# Altium PCB WCAM-BREAKOUT-PCB-R03.PcbDoc (part 1 of 2) (continued)
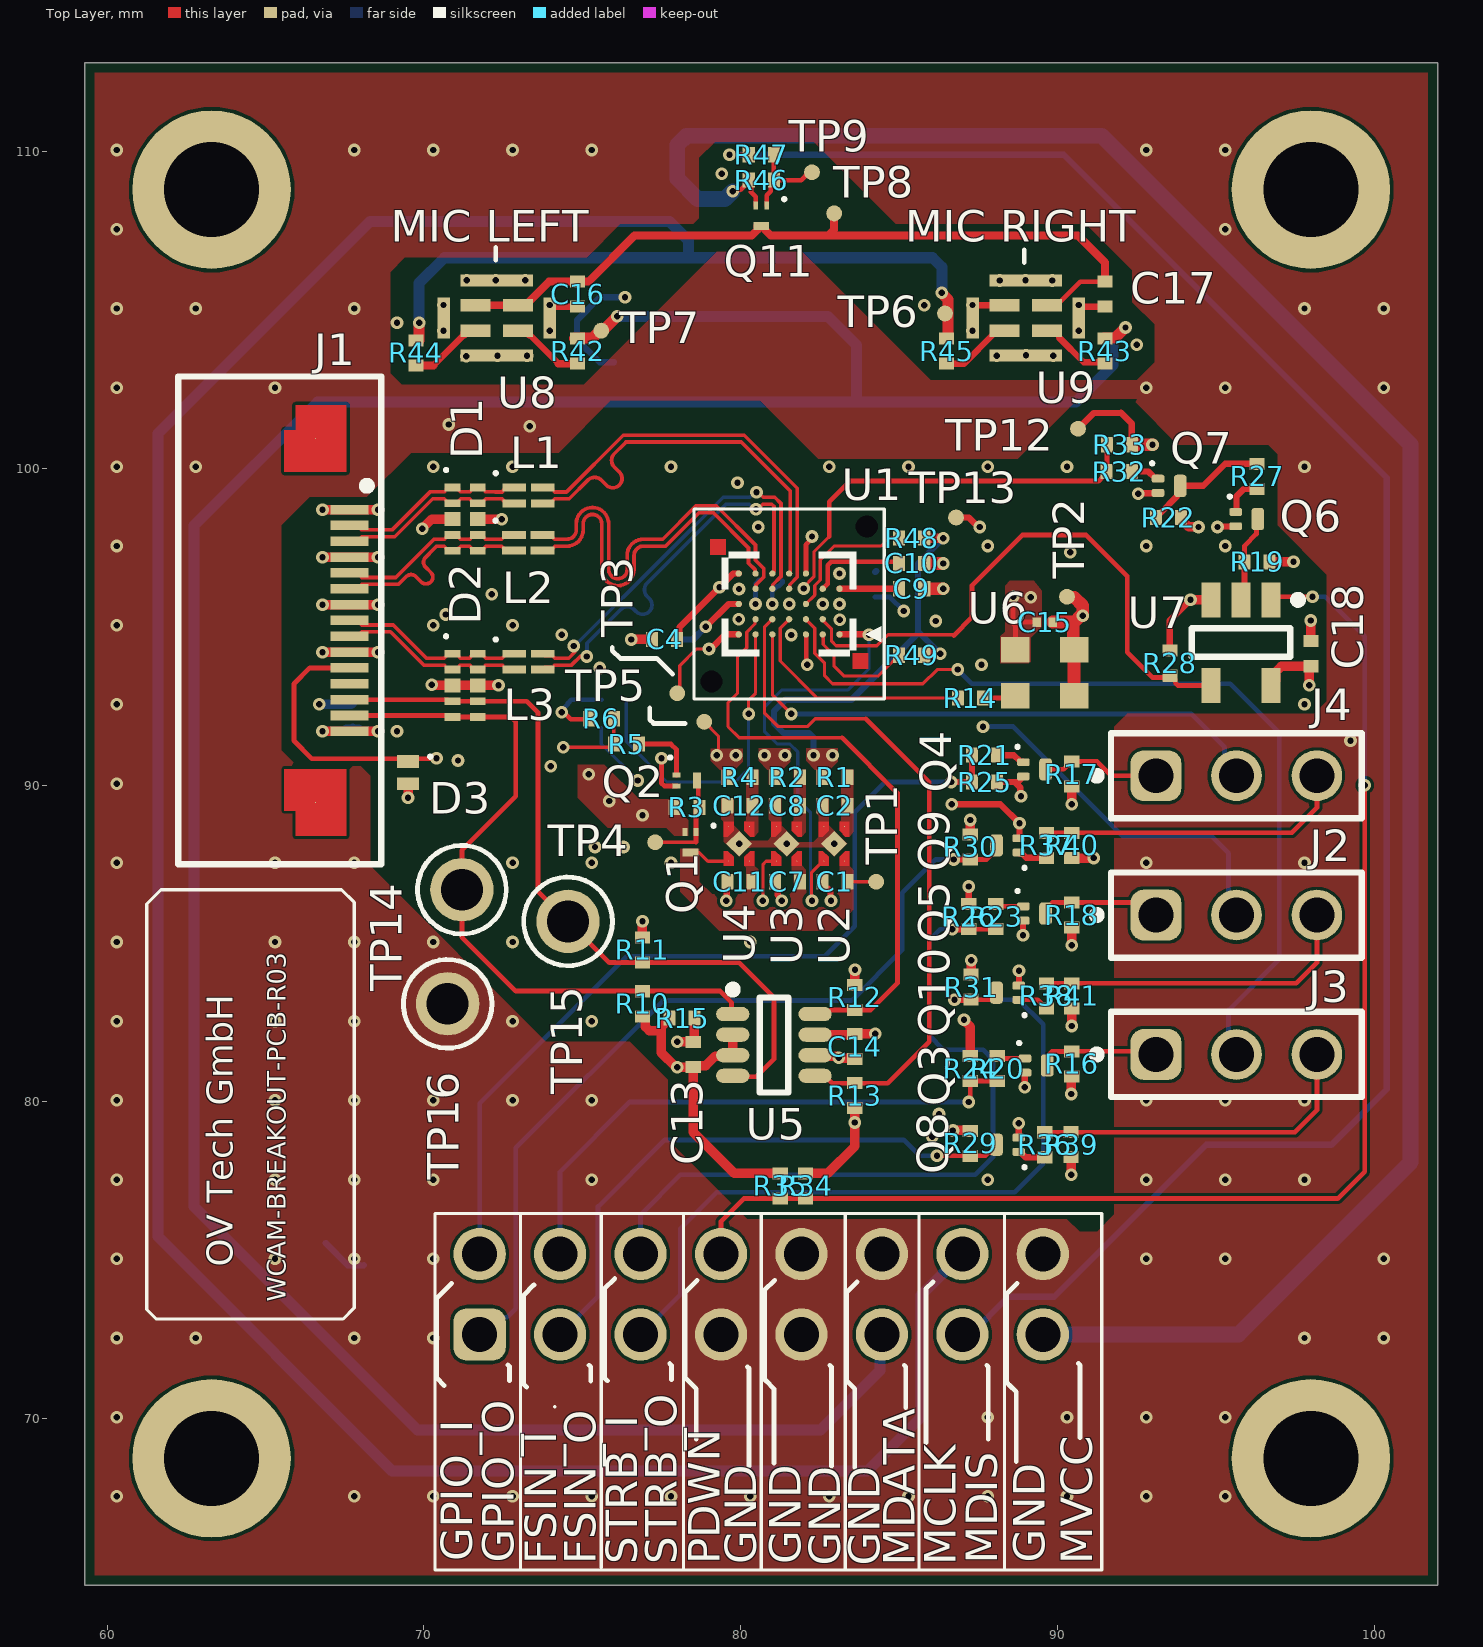
[diagram p0: Top Layer view]
## Components (designator, comment, footprint, x,y, rotation, side; value= is the part's Value field where it differs from the comment)
C1 "1µF 25V" CAPC1005X06L 82.975,86.95 r180 top
C2 "1µF 25V" CAPC1005X06L 82.975,89.35 r180 top
C3 "1µF 25V" CAPC1005X06L 77.6,94.6 r180 bottom
C4 "470nF 25V" CAPC1005X06L 77.6,94.6 r180 top
C5 "470nF 25V" CAPC1005X06L 80.925,96.445 r0 bottom
C6 "1µF 25V" CAPC1005X06L 67.75,92.2 r90 bottom
C7 "1µF 25V" CAPC1005X06L 81.475,86.95 r180 top
C8 "1µF 25V" CAPC1005X06L 81.475,89.35 r180 top
C9 "1µF 25V" CAPC1005X06L 85.4,96.2 r0 top
C10 "1µF 25V" CAPC1005X06L 85.4,97 r0 top
C11 "1µF 25V" CAPC1005X06L 79.975,86.95 r180 top
C12 "1µF 25V" CAPC1005X06L 79.975,89.35 r180 top
C13 "100nF 16V" CAPC1005X06L 78.5,81.5 r90 top
C14 "100nF 16V" CAPC1005X06L 83.6,81.75 r270 top
C15 "470nF 10V" CAPC0603X03L 89.6,95.15 r180 top
C16 "470nF 25V" CAPC1005X06L 74.85,105.5 r270 top
C17 "470nF 25V" CAPC1005X06L 91.5,105.5 r270 top
C18 "100nF 16V" CAPC1005X06L 98,94.15 r90 top
D1 "ESD7504MUTAG" QFN50P250X100X55-10L 71.3,98.4 r270 top
D2 "ESD7504MUTAG" QFN50P250X100X55-10L 71.3,93.15 r270 top
D3 "PESD5V5C1UL" DFN65P100X50-2N 69.5,90.4 r270 top
J1 "F32Q-1A7H1-11015" "FFC 15pol 0.5mm F32Q-1A7H1-11015" 65.9,95.2 r270 top
J2 "61300311121" "BOARD TO BOARD Pinheader WE_61300311121" 95.65,85.9 r0 top
J3 "61300311121" "BOARD TO BOARD Pinheader WE_61300311121" 95.65,81.5 r0 top
J4 "61300311121" "BOARD TO BOARD Pinheader WE_61300311121" 95.65,90.3 r0 top
J5 "61301621021" "BOARD TO BOARD Pinheader WE_61301621021" 80.65,69.93 r180 bottom
L1 "90Ohm 100mA" CAF-50P85X64-4N 73.299,99.148 r0 top
L2 "90Ohm 100mA" CAF-50P85X64-4N 73.292,97.652 r0 top
L3 "90Ohm 100mA" CAF-50P85X64-4N 73.3,93.9 r0 top
Q1 "SSM3J56ACT,L3F" DFN65P100X50-3L 78.418,88.197 r270 top
Q2 "SSM3K15ACT,L3F" DFN65P100X50-3L 78.3,90.15 r0 top
Q3 "PMZ130UNEYL" DFN65P98X50-3N 89.3,81.15 r0 top
Q4 "PMZ130UNEYL" DFN65P98X50-3N 89.25,90.5 r0 top
Q5 "PMZ130UNEYL" DFN65P98X50-3N 89.25,85.95 r0 top
Q6 "PMZ130UNEYL" DFN65P98X50-3N 95.95,98.4 r0 top
Q7 "PMZ130UNEYL" DFN65P98X50-3N 93.5,99.45 r0 top
Q8 "PMZ130UNEYL" DFN65P98X50-3N 88.45,78.65 r180 top
Q9 "PMZ130UNEYL" DFN65P98X50-3N 88.45,88.1 r180 top
Q10 "PMZ130UNEYL" DFN65P98X50-3N 88.45,83.45 r180 top
Q11 "SSM3J56ACT,L3F" DFN65P100X50-3L 80.65,107.975 r270 top
R1 "0Ohm 1%" RESC1005X04L 82.975,90.25 r0 top
R2 "0Ohm 1%" RESC1005X04L 81.475,90.25 r0 top
R3 "15k 1%" RESC1005X04L 78.3,89.3 r0 top
R4 "0Ohm 1%" RESC1005X04L 79.975,90.25 r0 top
R5 "240R 1%" RESC1005X04L 76.4,91.3 r0 top
R6 "15k 1%" RESC1005X04L 75.6,92.1 r180 top
R7 "1.5k 1%" RESC1005X04L 75.995,91.825 r0 bottom
R8 "1.5k 1%" RESC1005X04L 76.005,92.7 r0 bottom
R9 "0Ohm 1%" RESC1005X04L 84.244,96.333 r90 bottom
R10 "3.3k 1%" RESC1005X04L 76.9,83.1 r270 top
R11 "3.3k 1%" RESC1005X04L 76.9,84.8 r90 top
R12 "3.3k 1%" RESC1005X04L 83.6,83.3 r90 top
R13 "3.3k 1%" RESC1005X04L 83.6,80.2 r270 top
R14 "27R 1%" RESC1005X04L 87.25,92.75 r0 top
R15 "10k 1%" RESC1005X04L 78.15,82.65 r180 top
R16 "1.5k 1%" RESC1005X04L 90.45,81.2 r270 top
R17 "1.5k 1%" RESC1005X04L 90.45,90.35 r270 top
R18 "1.5k 1%" RESC1005X04L 90.45,85.9 r270 top
R19 "22k 1%" RESC1005X04L 96.3,97.05 r0 top
R20 "100R 1%" RESC1005X04L 88.1,81.055 r270 top
R21 "100R 1%" RESC1005X04L 87.7,90.95 r180 top
R22 "22k 1%" RESC1005X04L 93.5,98.45 r0 top
R23 "100R 1%" RESC1005X04L 88.05,85.85 r270 top
R24 "10k 1%" RESC1005X04L 87.25,81.055 r270 top
R25 "10k 1%" RESC1005X04L 87.7,90.1 r180 top
R26 "10k 1%" RESC1005X04L 87.2,85.85 r270 top
R27 "100R 1%" RESC1005X04L 96.3,99.75 r90 top
R28 "22k 1%" RESC1005X04L 93.55,93.85 r270 top
R29 "10k 1%" RESC1005X04L 87.25,78.695 r90 top
R30 "10k 1%" RESC1005X04L 87.25,88.05 r90 top
R31 "10k 1%" RESC1005X04L 87.275,83.625 r90 top
R32 "100R 1%" RESC1005X04L 91.95,99.9 r180 top
R33 "22k 1%" RESC1005X04L 91.962,100.748 r180 top
R34 "22k 1%" RESC1005X04L 82.05,77.35 r90 top
R35 "22k 1%" RESC1005X04L 81.25,77.35 r90 top
R36 "100R 1%" RESC1005X04L 89.6,78.65 r270 top
R37 "100R 1%" RESC1005X04L 89.65,88.1 r270 top
R38 "100R 1%" RESC1005X04L 89.65,83.35 r270 top
R39 "10k 1%" RESC1005X04L 90.432,78.655 r90 top
R40 "10k 1%" RESC1005X04L 90.45,88.1 r90 top
R41 "10k 1%" RESC1005X04L 90.45,83.35 r90 top
R42 "33 1%" RESC1005X04L 74.85,103.7 r90 top
R43 "33 1%" RESC1005X04L 91.5,103.7 r270 top
R44 "0Ohm 1%" RESC1005X04L 69.75,103.65 r90 top
R45 "0Ohm 1%" RESC1005X04L 86.5,103.7 r270 top
R46 "18k 1%" RESC1005X04L 80.65,109.1 r180 top
R47 "240R 1%" RESC1005X04L 80.65,109.9 r0 top
R48 "1.5k 1%" RESC1005X04L 85.4,97.8 r180 top
R49 "1.5k 1%" RESC1005X04L 85.4,94.1 r180 top
TP1 "Testpoint 0.5mm" TP_0.50mm 84.275,86.95 r0 top
TP2 "Testpoint 0.5mm" TP_0.50mm 90.3,95.95 r90 top
TP3 "Testpoint 0.5mm" TP_0.50mm 78,92.9 r90 top
TP4 "Testpoint 0.5mm" TP_0.50mm 77.3,88.2 r270 top
TP5 "Testpoint 0.5mm" TP_0.50mm 78.85,92 r90 top
TP6 "Testpoint 0.5mm" TP_0.50mm 86.45,104.891 r0 top
TP7 "Testpoint 0.5mm" TP_0.50mm 75.6,104.35 r0 top
TP8 "Testpoint 0.5mm" TP_0.50mm 82.95,108.05 r90 top
TP9 "Testpoint 0.5mm" TP_0.50mm 82.25,109.35 r90 top
TP10 "Testpoint 0.5mm" TP_0.50mm 66.9,75.55 r90 bottom
TP11 "Testpoint 0.5mm" TP_0.50mm 76,103.35 r90 bottom
TP12 "Testpoint 0.5mm" TP_0.50mm 90.65,101.25 r90 top
TP13 "Testpoint 0.5mm" TP_0.50mm 86.8,98.45 r90 top
TP14 "4952" TP_Keystone_4952 71.2,86.7 r0 top
TP15 "4952" TP_Keystone_4952 74.55,85.7 r0 top
TP16 "4952" TP_Keystone_4952 70.75,83.1 r90 top
U1 "OV02740-H34A-Z" BGA34C53P7X5_386X292X388 81.53,95.72 r180 top
U2 "TLV74018PDQNR" X2SON-DFN 82.95,88.15 r270 top
U3 "TLV74012PDQNR" X2SON-DFN 81.45,88.15 r270 top
U4 "TLV74028PDQNR" X2SON-DFN 79.95,88.15 r270 top
U5 "TCA9416DDFR" TSOP65P280X110-8N 81.05,81.8 r0 top
U6 "ECS-2520MV-240-BN-TR" Oscillator_ECS-2520MV 89.6,93.55 r180 top
U7 "74LVC1G08GV" SOT95P275X110-5N 95.794,94.5 r270 top
U8 "SPK0641HT4H-1" MIC_SPK0641HT4H-1 72.3,104.75 r90 top
U9 "SPK0641HT4H-1" MIC_SPK0641HT4H-1 89,104.75 r90 top

## Footprints (in the part's own frame and the unit in brackets; to place one, negate y for a bottom-side part, rotate by r counter-clockwise, add the part's x,y. Pads: shape width x height; smd on the part's side, far side on the other; paste and mask are expansions set on the pad)
BGA34C53P7X5_386X292X388 [mm] "BGA, 34-Leads, Body 3,86x2,92mmx3,88mm, Pitch 0,53mm"
  round 0.2 smd: A1(-1.59,0.96) A2(-1.06,0.96) A3(-0.53,0.96) A4(0,0.96) A5(0.53,0.96) A6(1.06,0.96) A7(1.59,0.96) B1(-1.59,0.48) B2(-1.06,0.48) B3(-0.53,0.48) B4(0,0.48) B5(0.53,0.48) B6(1.06,0.48) B7(1.59,0.48) C1(-1.59,0) C2(-1.06,0) C3(-0.53,0) C4(0,0) C5(0.53,0) C6(1.06,0) C7(1.59,0) D1(-1.59,-0.48) D2(-1.06,-0.48) D3(-0.53,-0.48) D4(0,-0.48) D5(0.53,-0.48) D6(1.06,-0.48) D7(1.59,-0.48) E1(-1.59,-0.96) E3(-0.53,-0.96) E4(0,-0.96) E5(0.53,-0.96) E6(1.06,-0.96) E7(1.59,-0.96)
  Top Layer region: -2.5,2.05 -2.5,1.55 -2,1.55 -2,2.05
  Top Layer region: 2,-1.55 2,-2.05 2.5,-2.05 2.5,-1.55
  silkscreen extent -2.9,0.7 -2.4,1.2, body extent -1.93,-1.46 1.93,1.46, height 0.72
"BOARD TO BOARD Pinheader WE_61300311121" [mm] "Pin Header, pitch 2.54 mm, THT, Vertical, single row, 3p"
  rrect50% 1.6x1.6 hole 1.1: 1(-2.54,0)
  round 1.6 hole 1.1: 2(0,0) 3(2.54,0)
  silkscreen extent -4.53,-1.35 3.96,1.35, body extent -3.81,-1.27 3.81,1.27, height 8.57
"BOARD TO BOARD Pinheader WE_61301621021" [mm] "Pin Header, pitch 2.54 mm, THT, Angled, dual row, 16p"
  rrect50% 1.65x1.65 hole 1.1: 1(8.89,2.73)
  round 1.65 hole 1.1: 2(8.89,5.27) 3(6.35,2.73) 4(6.35,5.27) 5(3.81,2.73) 6(3.81,5.27) 7(1.27,2.73) 8(1.27,5.27) 9(-1.27,2.73) 10(-1.27,5.27) 11(-3.81,2.73) 12(-3.81,5.27) 13(-6.35,2.73) 14(-6.35,5.27) 15(-8.89,2.73) 16(-8.89,5.27)
  silkscreen extent -10.31,-1.35 10.44,2.82, body extent -10.16,-7.27 10.16,5.63, height 5.12
CAF-50P85X64-4N [mm] "Chip Array, Flat, 4-Leads, Pitch 0,50mm,  Body 0,85x0,65mm,  IPC Medium Density"
  rect 0.75x0.25 smd: 1(-0.45,0.25) 2(0.45,0.25) 3(0.45,-0.25) 4(-0.45,-0.25)
  silkscreen extent -1.08,0.65 -0.98,0.75, body extent -0.4,-0.45 0.4,0.45, height 0.5
CAPC0603X03L [mm] "Chip Capacitor, 2-Leads, Body 0,60x0,30mm, IPC High Density"
  rect 0.27x0.3 smd paste-0.5: 1(-0.25,0) 2(0.25,0)
  body extent -0.3,-0.15 0.3,0.15, height 0.3
CAPC1005X06L [mm] "Chip Capacitor, 2-Leads, Body 1,00x0,50mm, IPC High Density"
  rect 0.38x0.48 smd: 1(-0.395,0) 2(0.395,0)
  body extent -0.5,-0.25 0.5,0.25, height 0.5
DFN65P98X50-3N [mm] "DFN, 3-Leads, Body 0,59x0,99mm, Pitch 0,65mm, IPC Medium Density"
  rrect50% 0.4x0.25 smd paste-2539.97 mask-2539.97: 1(-0.325,0.225) 2(-0.325,-0.225)
  rrect50% 0.4x0.7 smd paste-2539.97 mask-2539.97: 3(0.375,0)
  silkscreen extent -0.56,0.66 -0.46,0.76, body extent -0.51,-0.31 0.51,0.31, height 0.5
DFN65P100X50-2N [mm] "DFN, 2-Leads, Body 0,60x1,00mm, Pitch 0,65mm, IPC Medium Density"
  rect 0.4x0.7 smd: 1(-0.35,0) 2(0.35,0)
  silkscreen extent -0.55,0.65 -0.45,0.75, body extent -0.5,-0.3 0.5,0.3, height 0.5
DFN65P100X50-3L [mm] "DFN, 3-Leads, Body 0,60x1,00mm, Pitch 0,65mm, IPC High Density"
  rect 0.25x0.15 smd paste-2539.97 mask+0.05: 1(-0.325,0.175) 2(-0.325,-0.175)
  rect 0.25x0.5 smd paste-2539.97 mask+0.05: 3(0.325,0)
  silkscreen extent -0.57,0.68 -0.48,0.77, body extent -0.5,-0.3 0.5,0.3, height 0.38
"FFC 15pol 0.5mm F32Q-1A7H1-11015" [mm] "Flex Connector, 0.50mm Pitch, Height 2.00mm, Right angle, Slider type, ZIF, Upper contact, 15 position , Without MYLAR"
  rect 0.3x1.2 smd: 1(-3.5,1.75) 2(-3,1.75) 3(-2.5,1.75) 4(-2,1.75) 5(-1.5,1.75) 6(-1,1.75) 7(-0.5,1.75) 8(0,1.75) 9(0.5,1.75) 10(1,1.75) 11(1.5,1.75) 12(2,1.75) 13(2.5,1.75) 14(3,1.75) 15(3.5,1.75)
  round 0.025 smd: MT(-5.75,0.675) MT(5.75,0.675)
  Top Layer region: -6.8,0.05 -6.8,1.65 -4.7,1.65 -4.7,-0.3 -6,-0.3 -6,0.05
  Top Layer region: 4.7,-0.3 4.7,1.65 6.8,1.65 6.8,0.05 6,0.05 6,-0.3
  silkscreen extent -7.7,-3.65 7.7,2.75, body extent -7.4,-3.3 7.4,2.2, height 2.05
MIC_SPK0641HT4H-1 [mm] "Digital SiSonic Microphone"
  rect 0.4x0.95 smd: 1(-0.4,-0.675) 2(-0.4,0.675) 3(0.4,0.675) 4(0.4,-0.675)
  rect 1.3x0.4 smd: 5(0,-1.675) 7(0,1.675)
  rect 0.375x2.3 smd: 6(-1.188,0) 8(1.188,0)
  body extent -1.5,-2 1.5,2, height 1.02
Oscillator_ECS-2520MV [mm] "miniature SMD HCMOS Oscillator with MultiVolt capability"
  rect 0.9x0.8 smd: 1(-0.925,-0.725) 2(0.925,-0.725) 3(0.925,0.725) 4(-0.925,0.725)
  body extent -1.25,-1 1.25,1, height 0.9
QFN50P250X100X55-10L [mm] "QFN, 10-Leads, Body 2,50x1,00mm, Pitch 0,50mm, IPC High Density"
  rect 0.25x0.5 smd: 1(-1,-0.4) 2(-0.5,-0.4) 4(0.5,-0.4) 5(1,-0.4) 6(1,0.4) 7(0.5,0.4) 9(-0.5,0.4) 10(-1,0.4)
  rect 0.45x0.5 smd: 3(0,-0.4) 8(0,0.4)
  silkscreen extent -1.6,-0.65 -1.5,-0.55, body extent -1.25,-0.5 1.25,0.5, height 0.55
RESC1005X04L [mm] "Chip Resistor, 2-Leads, Body 1,00x0,53mm, IPC High Density"
  rect 0.38x0.48 smd: 1(-0.395,0) 2(0.395,0)
  body extent -0.52,-0.27 0.53,0.28, height 0.4
SOT95P275X110-5N [mm] "SOT23, 5-Leads, Body 2,90x2,75mm, Pitch 0,95mm, IPC Medium Density"
  rect 1.1x0.6 smd: 1(-1.35,0.95) 2(-1.35,0) 3(-1.35,-0.95) 4(1.35,-0.95) 5(1.35,0.95)
  silkscreen extent -1.47,-1.55 0.45,1.93, body extent -1.5,-1.55 1.5,1.55, height 1.1
TP_0.50mm [mm] "Testpoint 0.50mm diameter"
  round 0.5 smd paste-1: TP(0,0)
  body extent -0.2,-0.2 0.2,0.2, height 0.1
TP_Keystone_4952 [mm] "Loop Type THM Test Point P/N 4952"
  round 2 hole 1.32: TP(0,0)
  silkscreen extent -1.4,-1.4 1.4,1.4, body extent -0.3,-1.5 0.34,1.5, height 6.3
TSOP65P280X110-8N [mm] "TSOP, 8-Leads, Body 2,90x1,60mm, Pitch 0,65mm, IPC Medium Density"
  oval 1.05x0.45 smd: 1(-1.3,0.975) 2(-1.3,0.325) 3(-1.3,-0.325) 4(-1.3,-0.975) 5(1.3,-0.975) 6(1.3,-0.325) 7(1.3,0.325) 8(1.3,0.975)
  silkscreen extent -1.42,-1.5 0.45,1.87, body extent -1.4,-1.5 1.4,1.5, height 1.1
X2SON-DFN [mil] "X2SON small outline to lead"
  round 1 smd paste-99999 mask-99999: 1(-21.63,12.8) 2(-21.63,-12.8) 3(21.63,-12.8) 4(21.63,12.8)
  rect 22.83x22.83 smd rot 45 paste-99999 mask-99999: 5(0,0)
  Top Layer region: -27.14,18.9 -27.14,6.69 -16.32,6.69 -9.03,13.98 -9.03,18.9
  Top Layer region: 27.14,18.9 27.14,6.69 16.32,6.69 9.03,13.98 9.03,18.9
  Top Layer region: -27.14,-18.9 -27.14,-6.69 -16.32,-6.69 -9.03,-13.98 -9.03,-18.9
  Top Layer region: 27.14,-18.9 27.14,-6.69 16.32,-6.69 9.03,-13.98 9.03,-18.9
  body extent -20,-20 20,20, height 18

## Part data
C1 C2 C3 C6 C7 C8 C9 C10 C11 C12: library part CAP_0402_1µ_25V, "Multilayer Ceramic Capacitors MLCC - SMD/SMT 0402 25VDC", Manufacturer 1="Murata Electronics", Manufacturer 1 Prt. Nr.=GRM155R61E105KE11D, Manufacturer 2=Walsin, Manufacturer 2 Prt. Nr.=0402X105K250CT
C4 C5 C16 C17: library part CAP_0402_470n_25V, "Multilayer Ceramic Capacitors MLCC - SMD/SMT 0402 25VDC", Manufacturer 1="Murata Electronics", Manufacturer 1 Prt. Nr.=GRM155R61E474KE01D, Manufacturer 2=Walsin, Manufacturer 2 Prt. Nr.=0603X474K250CT
C13 C14 C18: library part CAP_0402_100nF_16V, "Multilayer Ceramic Capacitors MLCC - SMD/SMT 0402 16VDC", Manufacturer 1="KYOCERA AVX", Manufacturer 1 Prt. Nr.=KGM05AR71C104KH, Manufacturer 2="Taiyo Yuden", Manufacturer 2 Prt. Nr.=EMK105B7104KV-F
C15: library part CAP_0201_470nF_10V, "Multilayer Ceramic Capacitors MLCC - SMD/SMT 0201 10VDC", Manufacturer 1="Taiyo Yuden", Manufacturer 1 Prt. Nr.=LMK063BBJ474KPLF, Manufacturer 2=TDK, Manufacturer 2 Prt. Nr.=C0603X5R1A474M030BC
D1 D2: library part "ESD Protection Diode_ESD7504MUTAG", "ESD-Entstörer/TVS-Dioden LOW CAP ESD Protection", Manufacturer 1=onsemi, Manufacturer 1 Prt. Nr.=ESD7504MUTAG
D3: library part "ESD 5.5V_PESD5V5C1UL", "ESD Diode 5.5V working voltage DFN1006-2", Manufacturer 1=Nexperia, Manufacturer 1 Prt. Nr.=PESD5V5C1UL
J1: library part "15Pin_FPC-to-board_Amphenol F32Q-1A7H1-11015", "Flex Connector, 0.50mm Pitch, Height 2.00mm, Right angle, Slider type, ZIF, Upper contact, 15 position , Without MYLAR", Manufacturer 1="Amphenol FCI", Manufacturer 1 Prt. Nr.=F32Q-1A7H1-11015
J2 J3 J4: library part "Pin Header_3pol_61300311121", "Pin Header 3 Pol 2.54mm", Manufacturer 1="Würth elektronik", Manufacturer 1 Prt. Nr.=61300311121
J5: library part "Pin Header_16pol_61301621021", "Pin Header 3 Pol 2.54mm", Manufacturer 1="Würth elektronik", Manufacturer 1 Prt. Nr.=61301621021
L1 L2 L3: library part "Common Mode Choke_LM0NSM900HY2#", "Murata Common Mode Choke 90Ohm 100mA for ,USB2.0,USB3.1 Gen1,USB3.1 Gen2,MIPI D-PHY Ver1.1,MIPI D-PHY Ver1.2,HDMI 1.4b", Manufacturer 1="Murata Electronics", Manufacturer 1 Prt. Nr.=DLM0NSM900HY2D
Q1 Q11: library part "P-Channel MOSFET_SSM3J56ACT,L3F", "MOSFET 20V SGL P-CH TRENCHMOS Logic Level", Manufacturer 1=Toshiba, Manufacturer 1 Prt. Nr.=SSM3J56ACT,L3F
Q2: library part "N-Channel MOSFET_SSM3K15ACT,L3F", "MOSFET 30V SGL N-CH TRENCHMOS Logic Level", Manufacturer 1=Toshiba, Manufacturer 1 Prt. Nr.=SSM3K15ACT,L3F
Q3 Q4 Q5 Q6 Q7 Q8 Q9 Q10: library part "N-Channel MOSFET_PMZ130UNEYL", "MOSFET PMZ130UNE/SOT883/XQFN3", Manufacturer 1=Nexperia, Manufacturer 1 Prt. Nr.=PMZ130UNEYL
R1 R2 R4 R9 R44 R45: library part RES_0402_0R_1%, "Thick Film Resistors - SMD 0OHM 1%", Manufacturer 1=Bourns, Manufacturer 1 Prt. Nr.=CR0402AJ/-000GAS, Manufacturer 2=YAGEO, Manufacturer 2 Prt. Nr.=AC0402FR-070RL
R3 R6: library part RES_0402_15k_1%, "Thick Film Resistors - SMD 15k 1%", Manufacturer 1="Vishay / Dale", Manufacturer 1 Prt. Nr.=CRCW040215K0FKED, Manufacturer 2=YAGEO, Manufacturer 2 Prt. Nr.=RT0402FRE0715KL
R5 R47: library part RES_0402_240R_1%, "Thick Film Resistors - SMD 240 OHM 1%", Manufacturer 1=Yageo, Manufacturer 1 Prt. Nr.=RC0402FR-07240RL, Manufacturer 2=Bourns, Manufacturer 2 Prt. Nr.=CR0402-FX-2400GLF
R7 R8 R16 R17 R18 R48 R49: library part RES_0402_1.5k_1%, "Thick Film Resistors - SMD 1.5k 1%", Manufacturer 1="Vishay / Dale", Manufacturer 1 Prt. Nr.=CRCW04021K50FKED, Manufacturer 2=YAGEO, Manufacturer 2 Prt. Nr.=RC0402FR-131K5L
R10 R11 R12 R13: library part RES_0402_3.3k_1%, "Thick Film Resistors - SMD 3.3k 1%", Manufacturer 1=Bourns, Manufacturer 1 Prt. Nr.=CR0402-FX-3301GLF, Manufacturer 2=YAGEO, Manufacturer 2 Prt. Nr.=RC0402FR-7D3K3L
R14: library part RES_0402_27R_1%, "Thick Film Resistors - SMD 27R 1%", Manufacturer 1=YAGEO, Manufacturer 1 Prt. Nr.=RC0402FR-0727RL, Manufacturer 2="TE Connectivity Passive Product", Manufacturer 2 Prt. Nr.=CRGCQ0402F27R
R15 R24 R25 R26 R29 R30 R31 R39 R40 R41: library part RES_0402_10k_1%, "Thick Film Resistors - SMD 10k 1%", Manufacturer 1="Vishay / Dale", Manufacturer 1 Prt. Nr.=CRCW040210K0FKEDC, Manufacturer 2=YAGEO, Manufacturer 2 Prt. Nr.=RT0402FRE0710KL
R19 R22 R28 R33 R34 R35: library part RES_0402_22k_1%, "Thick Film Resistors - SMD 22k 1%", Manufacturer 1="Vishay / Dale", Manufacturer 1 Prt. Nr.=CRCW040222K0FKED, Manufacturer 2=YAGEO, Manufacturer 2 Prt. Nr.=RC0402FR-0722KL
R20 R21 R23 R27 R32 R36 R37 R38: library part RES_0402_100R_1%, "Thick Film Resistors - SMD 100R 1%", Manufacturer 1="Vishay / Dale", Manufacturer 1 Prt. Nr.=CRCW0402100RFKEDC, Manufacturer 2=YAGEO, Manufacturer 2 Prt. Nr.=RC0402FR-07100RL
R42 R43: library part RES_0402_33R_1%, "Thick Film Resistors - SMD 33 Ohm 1%", Manufacturer 1=Panasonic, Manufacturer 1 Prt. Nr.=ERJ-S02F33R0X, Manufacturer 2="Vishay / Dale", Manufacturer 2 Prt. Nr.=CRCW040233R0FKED
R46: library part RES_0402_18k_%, "Thick Film Resistors - SMD 18k 1%", Manufacturer 1=Bourns, Manufacturer 1 Prt. Nr.=CR0402-FX-1802GLF, Manufacturer 2=Vishay, Manufacturer 2 Prt. Nr.=CRCW040218K0FKEDC
TP14 TP15 TP16: library part Testpoint_Keystone_4952, "Loop Type THM Test Point P/N 4952", Manufacturer 1=Keystone, Manufacturer 1 Prt. Nr.=4952
U1: library part "Image Sensor_OV2740", "MIPI CSI Image Sensor 1080p 1/6\"", Manufacturer 1 Prt. Nr.=OmniVision, Manufacturer 1=OV02740-H34A-Z
U2: library part "LDO 1.8V_TLV74018PDQNR", "LDO voltage regulator 300mA X2SON", Manufacturer 1="Texas Instruments", Manufacturer 1 Prt. Nr.=TLV74018PDQNR
U3: library part "LDO 1.2V_TLV74012PDQNR", "LDO voltage regulator 300mA X2SON", Manufacturer 1="Texas Instruments", Manufacturer 1 Prt. Nr.=TLV74012PDQNR
U4: library part "LDO 2.8V_TLV74028PDQNR", "LDO voltage regulator 300mA X2SON", Manufacturer 1="Texas Instruments", Manufacturer 1 Prt. Nr.=TLV74028PDQNR
U5: library part "I2C_Bidirectional_LvL Shift_TCA9416DDFR", "Ultra-low voltage I2C translator with rise time accelerators", Manufacturer 1="Texas Instruments", Manufacturer 1 Prt. Nr.=TCA9416DDFR
U6: library part "Crystal Oscillator_ECS-2520MV-240-BN-TR", "Crystal Oscillator 2520 miniature SMD package", Manufacturer 1=ECS, Manufacturer 1 Prt. Nr.=ECS-2520MV-240-BN-TR
U7: library part "AND_SINGLE_2 INPUT_74LVC1G08GV", "Single 2-input AND gate", Manufacturer 1=Nexperia, Manufacturer 1 Prt. Nr.=74LVC1G08GV
U8 U9: library part "Digital Microphone PDM_SPK0641HT4H-1", "Digital MEMS Microphone Top Port PDM SPK0641HT4H-1", Manufacturer 1=Knowles, Manufacturer 1 Prt. Nr.=SPK0641HT4H-1

## Free pads (board coordinates)
  round 0 hole 0.7: 2(79.08,93.27) 2(83.98,98.17)
  round 5 hole 3: MNT(63.3,68.75) MNT(63.3,108.8) MNT(98,68.75) MNT(98,108.8)

## Via types
v1: diameter 0.4, hole 0.2, Top Layer to Bottom Layer, tented both sides, 164 vias
v2: diameter 0.4/0.4/0.4/0.4 (per signal layer), hole 0.2, Top Layer to Bottom Layer, tented both sides, 107 vias

## Nets (pads, with @x,y where several pads share a name; then routed paths per layer and width w, separated by ;. In a path a pad name is that pad's centre, name@x,y a point inside that pad or via, vN(x,y) a via of type N, cw(c..) or ccw(c..) an arc to the next point about the centre after c; other vN are vias at no path point)
AGND: C3.2 R9.2 U1.B7 U1.C1 | length 0
  Bottom Layer w0.2: R9.2@84.244,96.728 R9.2@84.277,96.76
  other v1: 79.94,95.24 83.12,95.72
AVDD: C3.1 R4.1 TP5.TP U1.A1 U1.C4 U1.C7 U1.E1 U2.3 | length 18
  Top Layer w0.1: TP5.TP@78.85,92 79.3,91.55 79.3,91 v1(79.25,90.95) ; v1@82.24,86.24 82.24,87.252 82.589,87.601 U2.3@82.625,87.601
  Top Layer w0.2: v1(78.9,95) 79.62,95.72 U1.C7@79.94,95.72 ; U1.A1@83.12,94.76 84.04,94.76 v1(84.05,94.75)
  Bottom Layer w0.1: v1(82.25,86.35) 82.2,86.4 82.2,89.15 81.8,89.55 81.8,91.05 81.55,91.3 81.15,91.3 80.75,91.7 80.75,92.461 81.289,93 83.376,93 84.05,93.674 v1(84.05,94.75)
  Bottom Layer w0.2: C3.1@77.995,94.6 78.496,94.6 78.896,95 v1(78.9,95)
  other v1: 79.85,90.95 81.53,95.72 83.12,96.68
CAM_CLK: J1.12
CAM_I2C_SCL: D2.4 D2.7 J1.13 R11.1 TP15.TP U5.4 | length 23.6
  Top Layer w0.15: J1.13@67.65,92.7 D2.4@70.75,92.7 ; D2.4@70.9,92.65 D2.7@71.7,92.65 73.25,92.65 73.6,92.3 73.6,86.65 75.85,84.4 76.9,84.4 79.95,84.4 81.05,83.3 81.05,81.35 80.494,80.794 U5.4@80.1,80.794
CAM_I2C_SDA: D2.5 D2.6 J1.14 R10.1 TP14.TP U5.1 | length 22.5
  Top Layer w0.15: J1.14@67.65,92.2 D2.5@70.85,92.2 ; D2.5@70.9,92.15 D2.6@71.7,92.15 72.75,92.15 72.9,92 72.9,89.65 71.2,87.95 TP14.TP@71.2,86.7 71.2,85.2 72.9,83.5 76.9,83.5 79.35,83.5 79.713,83.137 79.713,82.812 U5.1@79.75,82.775
CAM_nRST: D3.1 J1.11 R5.1 R6.1 | length 15.1
  Top Layer w0.1: v1(74.4,91.2) 75.905,91.2 R5.1@76.005,91.3 75.995,91.31 R6.1@75.995,92.1
  Top Layer w0.15: J1.11@67.65,93.7 66.4,93.7 65.9,93.2 65.9,91.4 66.463,90.837 70.387,90.837 v1(70.4,90.85)
  Mid2 w0.1: v1(70.4,90.85) 70.75,91.2 v1(74.4,91.2)
CON_CSI_CLK_N: D2.1 D2.10 J1.8 L3.1 | length 6
  Top Layer w0.117: J1.8@67.65,95.2 67.9,95.2 68.041,95.059 69.033,95.059 70.083,94.009 70.637,94.009 70.706,94.078 70.706,94.083 70.772,94.15 D2.1@70.9,94.15 71.022,94.15 71.089,94.083 71.089,94.078 71.157,94.009 71.437,94.009 71.506,94.078 71.506,94.083 71.572,94.15 D2.10@71.7,94.15 71.822,94.15 71.889,94.083 71.889,94.078 71.957,94.009 72.255,94.009 72.465,94.009 72.533,94.078 72.533,94.083 72.6,94.15 L3.1@72.85,94.15
CON_CSI_CLK_P: D2.2 D2.9 J1.9 L3.4 | length 6
  Top Layer w0.117: J1.9@67.65,94.7 67.9,94.7 68.041,94.841 68.942,94.841 69.992,93.791 70.637,93.791 70.706,93.722 70.706,93.717 70.772,93.65 71.022,93.65 71.089,93.717 71.089,93.722 71.157,93.791 71.437,93.791 71.506,93.722 71.506,93.717 71.572,93.65 71.822,93.65 71.889,93.717 71.889,93.722 71.957,93.791 72.164,93.791 72.465,93.791 72.533,93.722 72.533,93.717 72.6,93.65 L3.4@72.85,93.65
CON_CSI_D0_N: D1.1 D1.10 J1.2 L1.1 | length 6.1
  Top Layer w0.117: J1.2@67.65,98.2 67.9,98.2 68.041,98.059 68.991,98.059 70.191,99.259 70.64,99.259 70.708,99.328 70.708,99.333 70.775,99.4 D1.1@70.9,99.4 71.025,99.4 71.092,99.333 71.092,99.328 71.16,99.259 71.44,99.259 71.508,99.328 71.508,99.333 71.575,99.4 D1.10@71.7,99.4 71.825,99.4 71.892,99.333 71.892,99.328 71.96,99.259 72.255,99.259 72.257,99.258 72.464,99.258 72.533,99.326 72.533,99.332 72.599,99.398 L1.1@72.849,99.398
CON_CSI_D0_P: D1.2 D1.9 J1.3 L1.4 | length 6.1
  Top Layer w0.117: J1.3@67.65,97.7 67.9,97.7 68.041,97.841 69.082,97.841 70.282,99.041 70.64,99.041 70.708,98.972 70.708,98.967 70.775,98.9 D1.2@70.9,98.9 71.025,98.9 71.092,98.967 71.092,98.972 71.16,99.041 71.44,99.041 71.508,98.972 71.508,98.967 71.575,98.9 D1.9@71.7,98.9 71.825,98.9 71.892,98.967 71.892,98.972 71.96,99.041 72.164,99.041 72.166,99.039 72.464,99.039 72.533,98.97 72.533,98.965 72.599,98.898 L1.4@72.849,98.898
CON_CSI_D1_N: D1.4 D1.7 J1.5 L2.1 | length 6.1
  Top Layer w0.117: J1.5@67.65,96.7 67.9,96.7 68.041,96.559 69.109,96.559 70.309,97.759 70.64,97.759 70.708,97.828 70.708,97.833 70.775,97.9 D1.4@70.9,97.9 71.025,97.9 71.092,97.833 71.092,97.828 71.16,97.759 71.44,97.759 71.508,97.828 71.508,97.833 71.575,97.9 D1.7@71.7,97.9 71.825,97.9 71.892,97.833 71.892,97.828 71.96,97.759 72.161,97.759 72.163,97.761 72.457,97.761 72.525,97.83 72.525,97.835 72.592,97.902 L2.1@72.842,97.902
CON_CSI_D1_P: D1.5 D1.6 J1.6 L2.4 | length 7
  Top Layer w0.117: J1.6@67.65,96.2 67.9,96.2 68.041,96.341 68.702,96.341 69.2,96.341 69.445,96.585 cw(c69.596,96.435) 69.747,96.585 69.915,96.417 ccw(c70.066,96.568) 70.217,96.417 ccw(c70.066,96.568) 70.217,96.719 70.048,96.887 cw(c70.199,97.038) 70.048,97.189 70.33,97.47 70.4,97.541 70.64,97.541 70.708,97.472 70.708,97.467 70.775,97.4 D1.5@70.9,97.4 71.025,97.4 71.092,97.467 71.092,97.472 71.16,97.541 71.44,97.541 71.508,97.472 71.508,97.467 71.575,97.4 D1.6@71.7,97.4 71.825,97.4 71.892,97.467 71.892,97.472 71.96,97.541 72.251,97.541 72.253,97.543 72.457,97.543 72.525,97.474 72.525,97.469 72.592,97.402 L2.4@72.842,97.402
CSI_CLK_N: L3.2 U1.D5 | length 12.8
  Top Layer w0.117: L3.2@73.75,94.15 73.817,94.083 74.067,94.083 74.067,94.078 74.135,94.009 74.573,94.009 74.757,94.193 74.757,94.368 v1@74.742,94.383 ; v1(80.5,99.25) 80.549,99.25 80.71,99.089 81.075,99.089 81.272,98.893 81.272,96.586 81.016,96.33 81.016,96.216 U1.D5@81,96.2
  Bottom Layer w0.117: v1@74.742,94.383 74.997,94.638 77.534,97.175 79.448,99.089 80.29,99.089 80.451,99.25 v1(80.5,99.25)
  other v1: 74.732,94.393
CSI_CLK_P: L3.3 U1.E5 | length 12.9
  Top Layer w0.117: L3.3@73.75,93.65 73.817,93.717 74.067,93.717 74.067,93.722 74.135,93.791 74.663,93.791 74.938,94.065 75.126,94.065 v1@75.134,94.073 ; v1(80.484,98.71) 80.534,98.71 80.694,98.871 80.984,98.871 81.053,98.802 81.053,96.755 81,96.703 U1.E5@81,96.68
  Bottom Layer w0.117: v1@75.134,94.073 75.152,94.091 75.152,94.248 75.152,94.484 76.216,95.548 cw(c76.424,95.341) 76.631,95.548 76.7,95.48 ccw(c76.907,95.687) 77.115,95.48 ccw(c76.907,95.687) 77.115,95.895 77.046,95.963 cw(c77.254,96.171) 77.046,96.378 77.647,96.979 77.689,97.021 79.539,98.871 80.274,98.871 80.435,98.71 v1(80.484,98.71)
  other v1: 75.144,94.063
CSI_D0_N: L1.2 U1.D4 | length 12.8
  Top Layer w0.117: L1.2@73.749,99.398 73.999,99.398 74.066,99.332 74.066,99.326 74.134,99.258 74.498,99.258 76.291,101.05 80.109,101.05 81.788,99.371 81.788,96.573 81.546,96.33 81.546,96.216 U1.D4@81.53,96.2
CSI_D0_P: L1.3 U1.E4 | length 13
  Top Layer w0.117: L1.3@73.749,98.898 73.999,98.898 74.066,98.965 74.066,98.97 74.134,99.039 74.453,99.039 74.589,99.039 75.183,99.633 cw(c75.389,99.426) 75.596,99.633 75.756,99.473 ccw(c75.963,99.679) 76.17,99.473 ccw(c75.963,99.679) 76.17,99.886 76.01,100.046 cw(c76.216,100.253) 76.01,100.46 76.322,100.772 76.381,100.831 80.019,100.831 81.57,99.28 81.57,96.778 81.546,96.755 81.546,96.696 U1.E4@81.53,96.68
CSI_D1_N: L2.2 U1.D6 | length 12.8
  Top Layer w0.117: L2.2@73.742,97.902 73.992,97.902 74.059,97.835 74.059,97.833 74.127,97.765 74.349,97.765 74.517,97.765 ccw(c74.517,98.057) 74.809,98.057 74.809,98.254 cw(c75.321,98.254) 75.321,98.765 cw(c75.321,98.254) 75.832,98.254 75.832,96.812 ccw(c76.124,96.812) 76.124,96.519 ccw(c76.124,96.812) 76.417,96.812 76.417,97.254 cw(c76.928,97.254) 76.928,97.765 77.539,97.765 78.593,98.819 79.231,98.819 80.469,97.581 80.469,97.1 80.728,96.84 80.728,96.573 80.486,96.33 80.486,96.216 U1.D6@80.47,96.2
CSI_D1_P: L2.3 U1.E6 | length 11.8
  Top Layer w0.117: L2.3@73.742,97.402 73.992,97.402 74.136,97.546 74.349,97.546 74.517,97.546 ccw(c74.517,98.057) 75.028,98.057 75.028,98.254 cw(c75.321,98.254) 75.321,98.546 cw(c75.321,98.254) 75.613,98.254 75.613,96.812 ccw(c76.124,96.812) 76.124,96.301 ccw(c76.124,96.812) 76.635,96.812 76.635,97.254 cw(c76.928,97.254) 76.928,97.546 77.539,97.546 77.629,97.546 78.683,98.6 79.141,98.6 80.25,97.491 80.25,97.009 80.454,96.805 80.454,96.696 U1.E6@80.47,96.68
DOVDD: C5.1 C14.1 C15.1 C18.1 R1.1 R7.1 R12.2 R13.2 R16.2 R17.2 R18.2 R19.2 R22.2 R34.2 R48.1 R49.1 TP2.TP U1.A3 U1.C6 U3.3 U5.7 U6.1 U6.4 U7.5 | length 41.3
  Top Layer w0.1: v1@80.684,86.253 80.71,86.279 80.71,87.51 80.801,87.601 U3.3@81.125,87.601 ; U1.A3@82.06,94.76 U1.A3@82.06,94.778
  Top Layer w0.15: U1.A3@82.06,94.76 82.07,94.75 82.07,93.83 v1(82.1,93.8)
  Top Layer w0.3: R34.2@82.05,77.745 82.745,77.745 83.6,78.6 v1(83.6,79.35) R13.2@83.6,79.805 ; U5.7@82.35,82.125 83.6,82.125 83.625,82.15 v1(84.25,82.15) ; R12.2@83.6,83.695 83.604,83.699 83.604,84.165 v1(83.609,84.169) ; R49.1@85.795,94.1 85.826,94.131 86.281,94.131 v1(86.3,94.15) ; R48.1@85.795,97.8 v1(86.4,97.8) ; v1(90.436,80.252) R16.2@90.436,80.807 ; v1(90.45,84.95) R18.2@90.45,85.505 ; v1(90.45,89.4) R17.2@90.45,89.955 ; R22.2@93.9,98.453 93.935,98.418 93.935,98.36 94.138,98.157 94.443,98.157 v1(94.45,98.15) ; U7.5@96.744,93.15 96.894,93.3 96.894,93.579 97.07,93.755 C18.1@98,93.755 97.996,93.755 97.956,93.715 97.956,93.156 v1(97.95,93.15) ; R19.2@96.75,97.05 v1(97.45,97.05)
  Top Layer w0.4: C15.1@89.85,95.15 90.4,95.15 ; TP2.TP@90.3,95.95 90.319,95.931 90.535,95.931 90.8,95.666 v1(90.8,95.35) 90.732,95.35 90.532,95.15 90.4,95.15 ; U6.4@90.35,92.85 90.35,92.7 U6.4@90.475,92.825 ; U6.4@90.525,92.825 U6.1@90.525,94.275 90.5,94.3 90.5,95.05 90.4,95.15
  Mid2 w0.3: v1(83.6,79.35) 84.25,80 v1(84.25,82.15) ; v1(94.45,98.15) 94.45,97.75 95.15,97.05 v1(97.45,97.05)
  Bottom Layer w0.1: R7.1@75.6,91.825 75.6,91.3 v1(76.75,90.15)
  Bottom Layer w0.15: v1(80.47,95.72) 80.47,96.228 80.473,96.23 80.473,96.365 C5.1@80.588,96.48
  Bottom Layer w0.2: v1(82.3,90.95) 82.3,91.5 82.15,91.65 81.35,91.65 81.05,91.95 81.05,92.336 81.414,92.7 83.5,92.7 85.6,94.8 ; v1(86.3,94.15) 85.65,94.8 85.6,94.8 ; v1(86.4,97.8) 85.6,97 85.6,94.8
  other v1: 80.7,86.35 82.9,90.95
DVDD: C4.1 R2.1 R32.2 R33.2 TP3.TP U1.A7 U1.D3 U1.E7 | length 19.3
  Top Layer w0.1: TP3.TP@78,92.9 78.077,92.977 78.077,93.777 78.6,94.3 v1(79,94.3) ; v1(81.99,96.207) 82.021,96.239 82.021,96.287 82.15,96.416 82.31,96.576 82.31,97.36 82.8,97.85
  Top Layer w0.15: 82.8,97.85 82.8,98.95 83.45,99.6 91.3,99.6 91.435,99.735 91.44,99.735 91.6,99.895 R32.2@91.6,99.9 ; R32.2@91.567,99.912 R33.2@91.567,100.748
  Top Layer w0.2: C4.1@77.995,94.6 78.072,94.677 78.072,94.992 79.76,96.68 U1.E7@79.94,96.68 ; v1(79,94.3) 79.05,94.3 79.51,94.76 U1.A7@79.94,94.76
  other v1: 80.75,90.95 81.4,90.95 79.33,96.25
FSIN_3V3_INPUT: J5.4 R20.2 R24.2 | length 17.9
  Top Layer w0.15: v1(87.2,80) 87.25,80.05 R24.2@87.25,80.66 R20.2@88.1,80.66
  Bottom Layer w0.15: J5.4@74.3,75.2 74.3,77.8 76.5,80 v1(87.2,80)
FSIN_3V3_OUTPUT: J5.3 Q8.3 R29.1 | length 18.4
  Top Layer w0.15: v1(86.2,78.3) R29.1@87.25,78.3 87.725,78.3 87.82,78.395 87.952,78.395 88.075,78.518 Q8.3@88.075,78.65
  Bottom Layer w0.15: J5.3@74.3,72.66 75.5,73.86 75.5,76.7 77.6,78.8 85.15,78.8 85.65,78.3 v1(86.2,78.3)